# KiCad board charon386_top.kicad_pcb (continued)
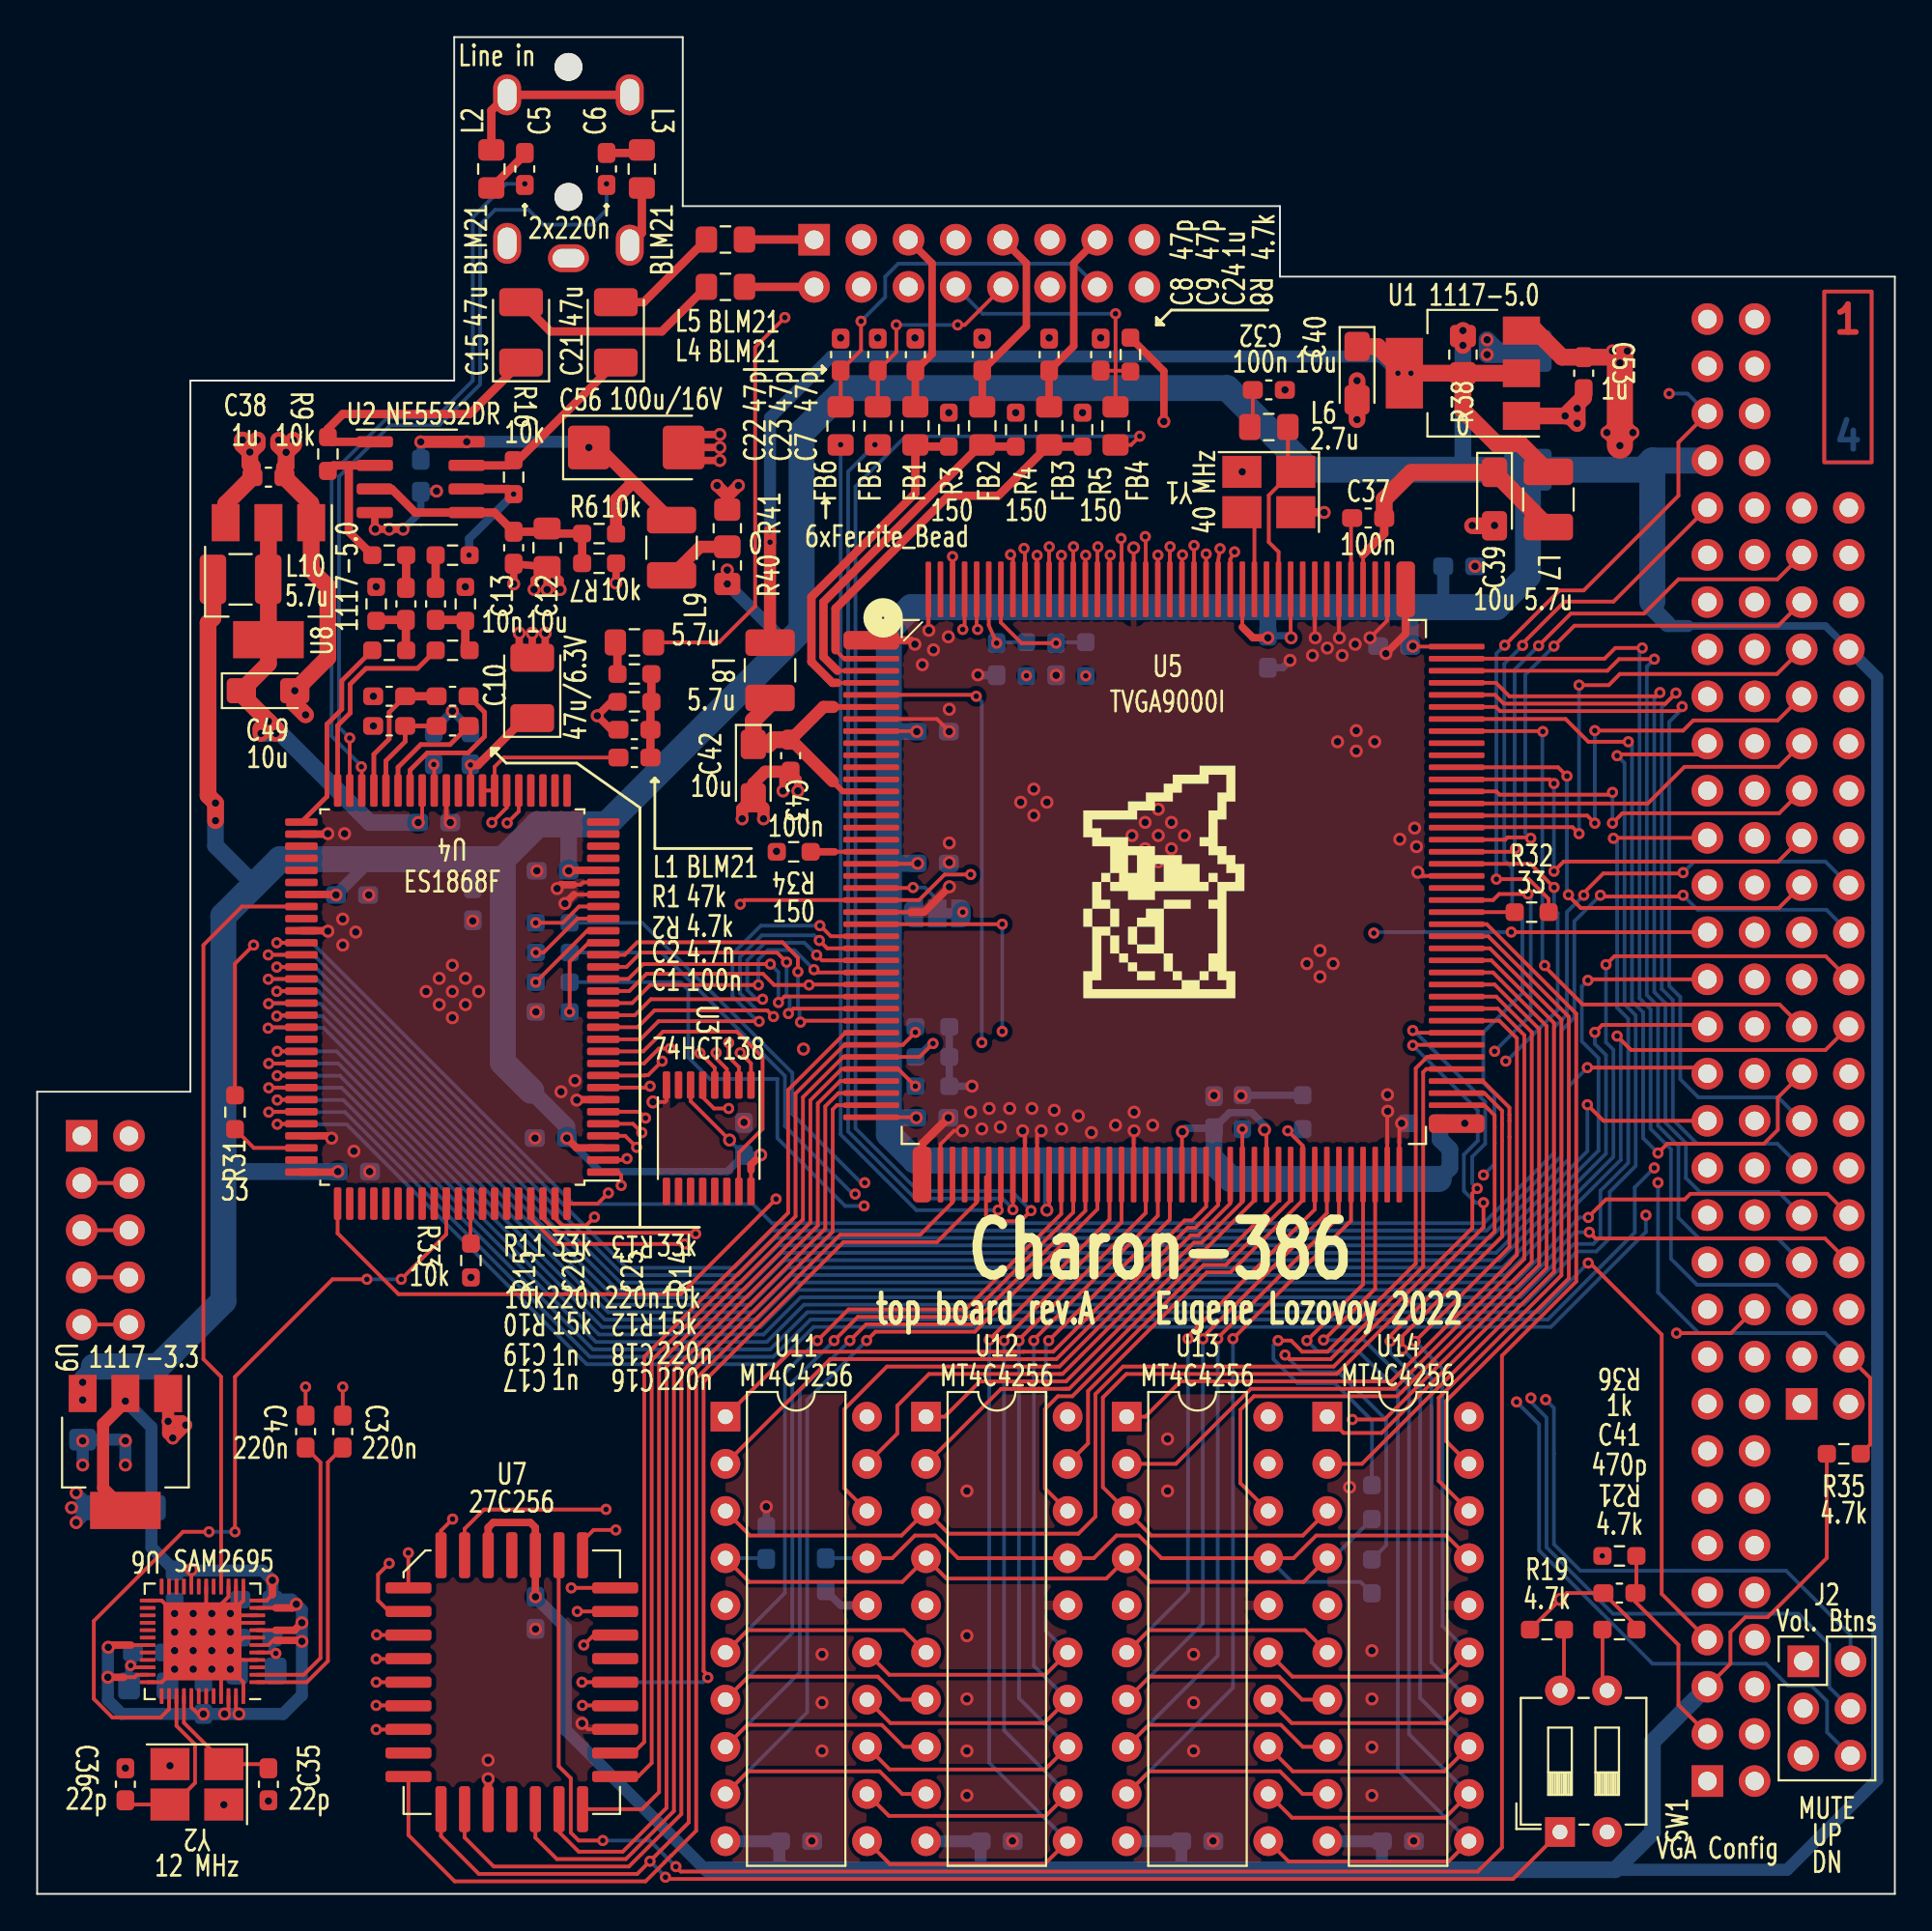
[diagram p0: board, top side]
## Routing (per net, layer and track width the routed paths; a pad name or vN(x,y) marks a point on that pad's centre or on a via; arc(x,y) is an arc through that point) (continued)
/D1: length 83.5
  Top w0.2: v2(39.64,47.25) 39.3,47.58 33.23,47.58 32.32,46.67 U4.13 ; v2(42.1,51.35) 42.53,50.92 U5.26
  In2.Cu w0.2: J6.16 91.3,25 88.23,25 62.33,50.9 42.55,50.9 v2(42.1,51.35)
  Bottom w0.2: v2(39.64,47.25) 39.3,47.58 38.75,47.58 37.83,48.51 37.83,50.45 39,51.63 41.83,51.63 v2(42.1,51.35)
/D2: length 82
  Top w0.2: v2(41.96,50.56) 42.25,50.27 U5.27 ; U4.14 32.18,47.32 33.03,48.18 v2(39.05,48.18)
  In2.Cu w0.2: v2(41.96,50.56) 42.28,50.25 62.42,50.25 88.76,23.91 88.76,23.3 89.41,22.65 91.12,22.65 J6.14
  Bottom w0.2: v2(41.96,50.56) 41.3,51.23 39.17,51.23 38.23,50.28 38.23,48.68 38.72,48.18 v2(39.05,48.18)
/D3: length 81.9
  Top w0.2: U5.28 41.97,49.62 v2(41.82,49.77) ; v2(38.82,48.95) 33,48.95 32.03,47.97 30.47,47.97
  In2.Cu w0.2: J6.12 91.3,19.92 89.6,19.92 88.36,21.16 88.36,23.74 62.5,49.6 41.99,49.6 v2(41.82,49.77)
  Bottom w0.2: v2(41.82,49.77) 40.76,50.83 39.33,50.83 38.82,50.32 v2(38.82,48.95)
/D4: length 82.2
  Top w0.2: 44.89,48.97 41.58,48.97 v2(41.55,48.95) 39.67,48.95 39.07,49.55 32.8,49.55 31.88,48.62 U4.16
  In2.Cu w0.2: v2(41.55,48.95) 62.59,48.95 87.96,23.58 87.96,19.02 89.36,17.63 91.06,17.63 J6.10
/D5: length 88
  Top w0.2: v2(39.47,50.08) 32.63,50.08 31.82,49.27 30.47,49.27 ; v2(39.9,48.01) 40.23,48.33 44.89,48.33 U5.30
  In2.Cu w0.2: v2(39.9,48.01) 40.23,48.33 62.65,48.33 87.55,23.42 87.55,16.15 88.61,15.09 91.06,15.09 J6.8
  Bottom w0.2: v2(39.47,50.08) 39.9,49.64 v2(39.9,48.01)
/D6: length 90.3
  Top w0.2: v2(40.44,47.41) 40.7,47.67 U5.31 ; U4.18 31.72,49.92 32.49,50.69 39.83,50.69 v2(40.34,50.18)
  In2.Cu w0.2: v2(40.44,47.41) 40.73,47.7 62.71,47.7 87.15,23.26 87.15,14.35 89.1,12.4 91.21,12.4 J6.6
  Bottom w0.2: v2(40.34,50.18) 40.34,48.42 40.5,48.25 40.5,47.48 v2(40.44,47.41)
/D7: length 92
  Top w0.2: U4.19 31.62,50.57 32.3,51.25 40.12,51.25 40.95,50.42 v2(40.95,49.66) ; U5.32 41.17,47.02 v2(41.09,46.95)
  In2.Cu w0.2: v2(41.09,46.95) 41.14,47 51.65,47 51.7,47.05 52.2,47.05 52.25,47 62.84,47 86.75,23.09 86.75,12.61 89.46,9.9 91.16,9.9 J6.4
  Bottom w0.2: v2(41.09,46.95) 40.96,47.08 41.04,47.16 41.04,47.66 40.95,47.75 v2(40.95,49.66)
/D8: length 25.9
  Top w0.2: U5.110 81.88,60.67 v2(82.35,60.2) ; J5.23 93.75,53.1 83.09,53.1 82.43,53.76 v2(82.43,53.81)
  Bottom w0.2: v2(82.43,53.81) 82.35,53.88 v2(82.35,60.2)
/D9: length 24.1
  Top w0.2: v2(81.65,55.08) 82.17,55.6 93.72,55.6 J5.25 ; U5.109 81.42,60.02 v2(81.65,59.8)
  Bottom w0.2: v2(81.65,59.8) v2(81.65,55.08)
/D10: length 21.1
  Top w0.2: U5.108 78.55,59.37 78.72,59.2 84.68,59.2 v2(84.8,59.32) ; v2(84.8,57.67) 85.33,58.2 93.78,58.2 J5.27
  Bottom w0.2: v2(84.8,59.32) v2(84.8,57.67)
/D11: length 19.9
  Top w0.2: J5.29 93.74,60.7 88.68,60.7 86.7,58.72 U5.107
/D12: length 24.5
  Top w0.2: v2(83.85,57.67) 83.44,58.07 U5.106 ; v2(83.85,62.65) 88.6,62.65 89.15,63.2 93.69,63.2 J5.31
  Bottom w0.2: v2(83.85,62.65) v2(83.85,57.67)
/D13: length 27.5
  Top w0.2: J5.33 93.66,65.7 85.2,65.7 84.6,65.1 v2(83,65.1) ; v2(83,57.1) 82.65,57.45 76.44,57.45 U5.105
  Bottom w0.2: v2(83,57.1) v2(83,65.1)
/D14: length 29.5
  Top w0.2: v2(81.65,67.2) 82.75,68.3 93.72,68.3 J5.35 ; v2(80.4,56.85) 80.35,56.9 79.15,56.9 79.03,56.77 U5.104
  Bottom w0.2: v2(80.4,56.85) 80.1,57.15 80.1,65.65 v2(81.65,67.2)
/D15: length 30.9
  Top w0.2: v2(79.58,56.3) 79.4,56.12 U5.103 ; v2(80.82,67.22) 82.55,68.95 86.5,68.95 88.35,70.8 93.68,70.8 J5.37
  Bottom w0.2: v2(79.58,56.3) 79.53,56.35 79.53,65.93 v2(80.82,67.22)
/DACK0: length 104.4
  Top w0.2: v2(85.05,46.2) 85.8,45.45 96.26,45.45 J5.18 ; v2(12.44,46.62) 12.49,46.67 U4.68
  Bottom w0.2: v2(85.05,46.2) 85.25,46 85.25,39.53 79.04,33.33 40.58,33.33 38.57,31.32 30.74,31.32 15.42,46.65 12.46,46.65 v2(12.44,46.62)
/DACK1: length 96.6
  Top w0.2: v2(12.46,47.94) 12.49,47.97 14.22,47.97 ; v2(83.85,46.4) 84.25,46.8 89.82,46.8 J6.33
  Bottom w0.2: v2(83.85,46.4) 83.85,45.78 84.45,45.18 84.45,39.87 78.71,34.13 40.24,34.13 38.23,32.12 31.07,32.12 15.25,47.94 v2(12.46,47.94)
/DACK3: length 91.8
  Top w0.2: v2(12.44,49.26) 12.45,49.27 14.22,49.27 ; J6.29 84.31,41.63 v2(83.45,42.5)
  Bottom w0.2: v2(83.45,42.5) 83.45,40 78.38,34.93 39.9,34.93 37.9,32.92 31.4,32.92 15.06,49.26 v2(12.44,49.26)
/DACK5: length 110
  Top w0.2: v2(84.15,53.78) 84.22,53.71 88.53,53.71 v2(88.6,53.78) ; v2(12.44,50.57) 12.45,50.57 U4.62
  Bottom w0.2: J5.22 96.31,53 89.38,53 v2(88.6,53.78) ; v2(84.15,53.78) 82.75,52.38 82.75,47.19 82.05,46.49 82.05,39.73 78.04,35.73 39.55,35.73 37.55,33.72 31.73,33.72 14.88,50.57 v2(12.44,50.57)
/DRQ0: length 107.3
  Top w0.2: v2(84.45,50.05) 84.9,50.5 96.28,50.5 J5.20 ; v2(12.9,47.27) 12.95,47.32 U4.67
  Bottom w0.2: v2(12.9,47.27) 15.35,47.27 30.9,31.72 38.4,31.72 40.4,33.73 78.88,33.73 84.85,39.7 84.85,45.46 84.45,45.86 84.45,50.04 v2(84.45,50.05)
/DRQ1: length 98.4
  Top w0.2: U4.65 12.92,48.62 v2(12.9,48.61) ; v2(83.48,49.2) 83.53,49.25 J6.35
  Bottom w0.2: v2(83.48,49.2) 83.15,48.87 83.15,45.91 84.05,45.01 84.05,40.03 78.57,34.56 78.57,34.56 78.54,34.53 40.07,34.53 38.07,32.52 31.24,32.52 15.15,48.61 v2(12.9,48.61)
/DRQ3: length 92.3
  Top w0.2: U4.63 12.91,49.92 v2(12.9,49.92) ; J6.31 89.59,44.5 v2(83.45,44.5)
  Bottom w0.2: v2(12.9,49.92) 14.97,49.92 31.57,33.32 37.72,33.32 39.73,35.33 78.21,35.33 82.45,39.57 82.45,43.5 v2(83.45,44.5)
/DRQ5: length 108.1
  Top w0.2: v2(88.6,55) 88.56,54.96 84.3,54.96 83.25,53.91 v2(83.25,53.78) ; U4.61 v2(12.9,51.22)
  Bottom w0.2: J5.24 96.25,55.6 89.2,55.6 v2(88.6,55) ; v2(12.9,51.22) 14.79,51.22 28.87,37.15 38.53,37.15 39.55,36.13 77.88,36.13 81.65,39.9 81.65,46.66 82.35,47.36 82.35,52.88 v2(83.25,53.78)
/G: length 19.7
  Top w0.2: U5.3 43.07,65.87
  Top w0.45: R4.1 50.96,77.95 FB2.1 50.79,78.04 42.33,69.58 42.33,66.62 43.07,65.87
/HSYNC: length 50.1
  Top w0.2: U5.48 v2(52.53,36.85)
  Bottom w0.2: v2(45.1,78.05) 43.65,76.6 43.65,41.07 47.26,37.45 51.97,37.45 52.53,36.9 v2(52.53,36.85)
/IOCHRDY: length 62.5
  Top w0.2: U5.157 49.93,68.2 v2(49.83,68.1)
  In2.Cu w0.2: v2(49.83,68.1) 49.83,67.62 53.45,64 57.15,64 71.45,49.7 71.81,49.7 76.65,44.85 76.65,44.43 76.63,44.4 76.65,44.26 76.65,44.13 76.68,44.11 76.68,44.07 76.79,43.99 77.12,43.66 84.21,36.57 87.95,32.83 87.95,31.6 89.35,30.2 91.19,30.2 J6.20
/IRQ5: length 114
  Top w0.2: J6.45 89.33,61.37 85.12,61.37 v2(85.05,61.3) ; U4.73 12.48,43.42 v2(12.47,43.41)
  Bottom w0.2: v2(12.47,43.41) 16.39,43.41 30.08,29.73 39.28,29.73 41.28,31.73 80.02,31.73 82.89,34.6 83.93,34.6 84.65,35.32 84.65,37.8 86.05,39.2 86.05,47.31 85.45,47.91 85.45,60.9 v2(85.05,61.3)
/IRQ7: length 108
  Top w0.2: v2(84.85,56.85) 84.88,56.87 J6.41 ; U4.72 12.93,44.07 v2(12.92,44.07)
  Bottom w0.2: v2(84.85,56.85) 85.05,56.65 85.05,47.73 85.65,47.13 85.65,39.37 84.15,37.87 84.15,35.39 83.77,35 82.72,35 79.85,32.13 41.1,32.13 39.1,30.13 30.24,30.13 16.3,44.07 v2(12.92,44.07)
/IRQ9: length 102.4
  Top w0.2: v2(83.5,33.97) 83.59,33.97 87.45,30.12 87.45,16.16 J6.7 ; 14.22,42.77 12.94,42.77 v2(12.92,42.76)
  Bottom w0.2: v2(83.5,33.97) 83.49,33.97 80.85,31.33 41.47,31.33 39.46,29.33 29.91,29.33 16.48,42.76 v2(12.92,42.76)
/IRQ10: length 95.5
  Top w0.2: J5.8 96.24,35.3 83.89,35.3 v2(83.55,35.63) ; v2(12.47,44.72) 12.47,44.72 U4.71
  Bottom w0.2: v2(83.55,35.63) 82.79,35.63 79.69,32.53 40.94,32.53 38.94,30.53 30.41,30.53 16.21,44.72 v2(12.47,44.72)
/IRQ11: length 95.2
  Top w0.2: J5.10 96.37,37.7 88.99,37.7 88.69,37.4 84.45,37.4 83.5,36.46 v2(83.5,36.43) ; U4.70 v2(12.92,45.37)
  Bottom w0.2: v2(12.92,45.37) 16.12,45.37 30.57,30.93 38.75,30.93 40.75,32.93 79.52,32.93 83.02,36.43 v2(83.5,36.43)
/LA17: length 32.5
  Top w0.2: J5.17 93.79,47.9 83.2,47.9 81.15,49.95 v2(81.15,50) ; v2(81.05,62.6) 80.82,62.6 80.8,62.62 U5.113
  Bottom w0.2: v2(81.15,50) 81.03,50.12 81.03,62.58 v2(81.05,62.6)
/LA18: length 43.1
  Top w0.2: v2(87.25,39.9) 87.75,40.4 92.95,40.4 93.7,41.15 93.7,42.88 J5.15 ; v2(85.65,62.05) 83.5,62.05 82.28,63.27 U5.114
  Bottom w0.2: v2(87.25,39.9) 86.45,40.7 86.45,47.48 85.85,48.07 85.85,61.85 v2(85.65,62.05)
/LA19: length 40.4
  Top w0.2: U5.115 78.53,63.92 78.75,63.7 88.31,63.7 v2(88.55,63.94)
  Bottom w0.2: v2(88.55,63.94) 88.55,63.81 87.85,63.11 87.85,48.9 88.45,48.3 88.45,43.87 89.43,42.9 93.72,42.9 J5.13
/LA20: length 43.8
  Top w0.2: U5.116 78.47,64.57 78.95,64.1 87.65,64.1 v2(88.22,64.67)
  Bottom w0.2: v2(88.22,64.67) 87.45,63.91 87.45,62.62 87.45,48.73 88.05,48.13 88.05,41.7 89.35,40.4 93.68,40.4 J5.11
/LA21: length 45.4
  Top w0.2: v2(87.35,64.7) 87.15,64.5 79.25,64.5 78.53,65.22 U5.117
  Bottom w0.2: v2(87.35,64.7) 87.05,64.4 87.05,48.57 87.65,47.97 87.65,41.53 88.75,40.43 88.75,38.55 89.5,37.8 93.74,37.8 J5.9
/LA22: length 49.5
  Top w0.2: v2(87.05,66.5) 85.15,66.5 84.53,65.87 U5.118
  Bottom w0.2: v2(87.05,66.5) 86.65,66.1 86.65,48.4 87.25,47.8 87.25,41.37 88.35,40.27 88.35,36.41 89.46,35.3 93.69,35.3 J5.7
/LA23: length 52.1
  Top w0.2: U5.119 84.38,66.52 84.95,67.1 v2(86.4,67.1)
  Bottom w0.2: J5.5 93.66,32.8 89.35,32.8 87.95,34.2 87.95,40.1 86.85,41.2 86.85,47.64 86.25,48.24 86.25,66.95 v2(86.4,67.1)
/LINE_L: length 9.9
  Top w0.45: J1.T J1.T 24.45,96.04 L2.2
/LINE_R: length 3.3
  Top w0.45: L3.2 32.55,89.44 J1.R1
/MAA0: length 48.7
  Top w0.2: U5.52 55.12,36.62 49.98,31.48 43.68,31.48 v2(42,29.8) ; U11.6 38.25,14.2 46.65,14.2 U12.6
  Bottom w0.2: U11.6 40.25,16.2 40.25,28.05 v2(42,29.8)
/MAA1: length 51.4
  Top w0.2: v2(42.9,29.8) 44.18,31.08 50.15,31.08 55.78,36.71 U5.53 ; U12.7 46.49,10.46 45.25,11.7 38.29,11.7 U11.7
  Bottom w0.2: U11.7 40.65,14.06 40.65,27.55 v2(42.9,29.8)
/MAA2: length 54
  Top w0.2: U12.8 46.64,7.92 45.46,9.1 38.23,9.1 U11.8 ; v2(43.75,29.8) 44.63,30.68 50.31,30.68 56.43,36.79 U5.54
  Bottom w0.2: v2(43.75,29.8) 41.05,27.1 41.05,11.92 U11.8
/MAA3: length 56.6
  Top w0.2: 57.07,38.74 57.07,36.87 50.48,30.28 45.13,30.28 v2(44.65,29.8) ; U11.9 38.27,6.6 45.35,6.6 46.57,5.38 U12.9
  Bottom w0.2: v2(44.65,29.8) 41.45,26.6 41.45,9.78 U11.9
/MAA4: length 52.2
  Top w0.2: U5.56 57.72,36.32 51.25,29.85 v2(51.25,29.83) ; U12.11 54.23,1.6 45.91,1.6 U11.11
  Bottom w0.2: v2(51.25,29.83) 51.25,7.06 U12.11
/MAA5: length 49.2
  Top w0.2: U11.12 45.85,4.2 54.29,4.2 U12.12 ; U5.57 58.38,36.17 52.05,29.85 v2(52.05,29.8)
  Bottom w0.2: U12.12 52.05,8.8 v2(52.05,29.8)
/MAA6: length 46.5
  Top w0.2: U11.13 45.89,6.7 54.25,6.7 U12.13 ; v2(52.85,29.79) 52.85,29.85 59.68,36.67 U5.59
  Bottom w0.2: U12.13 52.85,10.54 v2(52.85,29.79)
/MAA7: length 43.6
  Top w0.2: U11.14 45.93,9.2 54.21,9.2 U12.14 ; U5.60 60.32,36.52 53.65,29.85 v2(53.65,29.8)
  Bottom w0.2: v2(53.65,29.8) 53.65,12.28 U12.14
/MAA8: length 40.8
  Top w0.2: U12.15 54.27,11.8 45.87,11.8 U11.15 ; U5.61 60.97,36.33 v2(54.45,29.8)
  Bottom w0.2: U12.15 54.3,14.17 54.3,29.65 v2(54.45,29.8)
/MAB0: length 41.7
  Top w0.2: U14.6 68.25,14.2 59.85,14.2 U13.6 ; v2(61.95,29.9) 61.95,30.03 68.78,36.86 U5.73
  Bottom w0.2: v2(61.95,29.9) 61.95,16.3 U13.6
/MAB1: length 44.6
  Top w0.2: U13.7 59.89,11.7 66.85,11.7 68.09,10.46 U14.7 ; U5.74 69.43,36.66 62.75,29.98 v2(62.75,29.89)
  Bottom w0.2: v2(62.75,29.89) 62.75,14.56 U13.7
/MAB2: length 47.3
  Top w0.2: v2(63.55,29.9) 63.55,29.94 70.07,36.46 70.07,38.74 ; U14.8 68.13,7.92 66.95,9.1 59.83,9.1 U13.8
  Bottom w0.2: U13.8 63.55,12.82 v2(63.55,29.9)
/MAB3: length 50.2
  Top w0.2: v2(64.37,29.9) 70.72,36.26 U5.76 ; U14.9 68.12,5.38 66.9,6.6 59.87,6.6 U13.9
  Bottom w0.2: U13.9 64.37,11.1 v2(64.37,29.9)
/MAB4: length 53.8
  Top w0.2: U13.11 67.37,1.74 75.97,1.74 U14.11 ; v2(68.35,29.8) 71.38,32.82 U5.77
  Bottom w0.2: U14.11 73.25,6.66 73.25,27.1 71.12,29.23 68.92,29.23 v2(68.35,29.8)
/MAB5: length 50.9
  Top w0.2: U14.12 75.79,4.1 67.55,4.1 U13.12 ; U5.78 72.03,32.59 69.27,29.83 v2(69.24,29.83)
  Bottom w0.2: v2(69.24,29.83) 71.42,29.83 73.85,27.4 73.85,8.6 U14.12
/MAB6: length 52.3
  Top w0.2: U14.13 75.75,6.6 67.59,6.6 U13.13 ; 76.41,42.47 77.91,42.47 78.46,41.93 78.46,40.43 78.46,35.68 72.83,30.05 v2(72.83,29.76)
  Bottom w0.2: v2(72.83,29.76) 72.83,29.14 74.45,27.52 74.45,10.54 U14.13
/MAB7: length 50.1
  Top w0.2: v2(73.5,29.32) 73.5,30.05 78.86,35.4 78.86,40.6 78.86,42.18 77.91,43.12 U5.83 ; U14.14 75.81,9.2 67.53,9.2 U13.14
  Bottom w0.2: v2(73.5,29.32) 75.05,27.77 75.05,12.48 U14.14
/MAB8: length 48
  Top w0.2: U5.84 77.83,43.77 79.25,42.35 79.25,40.76 79.25,34.84 v2(74.17,29.76) ; U14.15 75.77,11.7 67.57,11.7 U13.15
  Bottom w0.2: U14.15 75.65,14.42 75.65,28.28 v2(74.17,29.76)
/MD0: length 32.3
  Top w0.2: U11.1 40.55,29.2 52.6,29.2 52.6,29.2 53.1,29.2 53.1,29.2 54.7,29.2 61.77,36.27 62.18,36.27 62.93,37.01 U5.64
/MD1: length 33.9
  Top w0.2: 63.57,38.74 63.57,37.1 62.35,35.87 61.93,35.87 54.86,28.8 53.27,28.8 53.26,28.8 52.44,28.8 52.43,28.8 42.69,28.8 U11.2
/MD2: length 94.6
  Top w0.2: U11.18 43.45,21.84 43.45,26.11 45.74,28.4 52.27,28.4 52.27,28.4 53.43,28.4 53.44,28.4 55.03,28.4 62.1,35.47 62.51,35.47 64.22,37.18 U5.66
  In2.Cu w0.2: SW1.2 82.58,1.4 44.05,1.4 42.95,2.5 42.95,18.9 U11.18
/MD3: length 30.8
  Top w0.2: v2(64.88,41.19) U5.67 64.88,37.27 62.68,35.07 62.26,35.07 56.25,29.06 55.19,28 55.06,28 55.06,28 53.6,28 53.6,28 53.02,28 52.27,28 52.11,28 52.1,28 48.01,28 46.3,26.29 46.3,24.79 U11.19
/MD4: length 23.9
  Top w0.2: U12.1 48.85,25.7 50.75,27.6 51.94,27.6 53.1,27.6 53.76,27.6 53.76,27.6 55.22,27.6 55.22,27.6 55.39,27.6 62.46,34.67 62.84,34.67 65.53,37.35 U5.68
/MD5: length 26.2
  Top w0.2: U12.2 51.89,27.2 51.94,27.2 52.09,27.19 52.1,27.2 52.44,27.2 52.93,27.2 53.76,27.2 53.92,27.19 53.92,27.2 53.93,27.2 53.93,27.2 55.23,27.2 55.39,27.2 55.39,27.2 55.55,27.2 62.62,34.27 63.74,34.27 66.82,37.35 U5.70
/MD6: length 25.3
  Top w0.2: U5.71 67.47,37.35 63.99,33.87 62.79,33.87 55.72,26.8 54.94,26.8 54.25,26.11 54.25,21.84 U12.18
/MD7: length 25.1
  Top w0.2: v2(67.32,41.1) 68.12,40.3 U5.72 68.12,37.36 64.24,33.47 62.96,33.47 56.57,27.08 56.57,24.26 U12.19
  Bottom w0.2: R24.2 68.04,41.1 v2(67.32,41.1)
/MD16: length 39.9
  Top w0.2: U5.89 78.71,47.02 79.65,46.08 79.65,34.41 79.44,34.19 79.26,33.97 72.89,27.6 61.55,27.6 59.65,25.7 U13.1
/MD17: length 42.3
  Top w0.2: U5.90 78.62,47.67 80.05,46.25 80.05,34.2 73.06,27.2 65.34,27.2 61.29,23.16 U13.2
/MD18: length 42.3
  Top w0.2: U13.18 64.77,22.12 64.77,26.07 65.5,26.8 73.22,26.8 73.47,27.05 80.45,34.03 80.45,46.41 78.54,48.32 U5.91
/MD19: length 37.6
  Top w0.2: v2(70.8,25.55) 72.53,25.55 80.25,33.27 80.85,33.87 80.85,46.58 78.45,48.97 76.41,48.97
  In2.Cu w0.2: U13.19 67.37,24.26 70.21,24.26 70.8,24.85 v2(70.8,25.55)
/MD20: length 34.9
  Top w0.2: U14.1 70.32,24.82 72.38,24.82 81.25,33.7 81.25,46.74 78.37,49.62 U5.93
/MD21: length 36.5
  Top w0.2: U5.94 78.28,50.27 81.65,46.91 81.65,33.5 71.31,23.16 U14.2
/MD22: length 37.1
  Top w0.2: U5.95 78.2,50.92 82.05,47.07 82.05,33.32 75.45,26.72 75.45,22.24 U14.18
/MD23: length 35.2
  Top w0.2: U14.19 75.85,24.38 75.85,26.55 82.45,33.15 82.45,47.24 78.12,51.57 U5.96
/MIDI_L: length 16.1
  Top w0.2: C3.2 15.65,23.24 15.65,12.53 14.52,11.4 U6.1
/MIDI_R: length 15.4
  Top w0.2: U6.2 14.35,11.8 15.25,12.7 15.25,23.24 C4.2
/Monitor: length 68.8
  Top w0.2: U5.46 51.08,38.59 51.08,36.52 51.38,36.22 52.93,36.22 v2(53.5,36.8) ; v2(59.36,78.51) 58.89,78.04 FB4.1
  Bottom w0.2: v2(53.5,36.8) 52.45,37.85 47.43,37.85 44.05,41.23 44.05,75.8 46.75,78.5 59.35,78.5 v2(59.36,78.51)
/MSO: length 41.1
  Top w0.2: U4.58 11.03,53.17 8.95,51.1 8.95,28.8 9.9,27.85 U6.16
/OSC: length 137.1
  Top w0.2: v2(11.65,51.1) 10.65,50.1 R31.2 ; R32.2 81.36,53.59 80.3,54.65 v2(78.55,54.65) ; J6.59 88.35,78.17 88.35,75.3 83.25,70.2 81.95,70.2 v2(79,67.25)
  In2.Cu w0.2: v2(87.85,80.8) 78.85,80.8 78.35,80.3 66.45,80.3 66.15,80.6 44.95,80.6 29.05,64.7 29.05,59.8 22.4,53.15 13.7,53.15 v2(11.65,51.1)
  Bottom w0.2: J6.59 88.84,80.8 v2(87.85,80.8) ; v2(79,67.25) 78.55,66.8 v2(78.55,54.65)
/R: length 19.5
  Top w0.2: U5.4 43.07,65.22
  Top w0.45: 43.07,65.22 42.81,65.22 41.68,66.35 41.68,69.85 47.28,75.44 FB1.1 47.36,77.95 R3.1
/RESET: length 116.9
  Top w0.2: U5.5 50.47,64.57 v2(50.55,64.5) ; R36.2 v2(84.25,18.2) ; U4.81 16.17,35.57 19.45,32.3 34.65,32.3 v2(39.77,37.42)
  In2.Cu w0.2: v2(39.78,37.42) 39.78,37.43 47.35,45 50,45 v2(50.85,45.85) 62.86,45.85 66.72,41.99 66.72,40.85 67.07,40.5 68.21,40.5 84.25,24.46 v2(84.25,18.2)
  Bottom w0.2: v2(50.85,45.85) 50.85,64.2 v2(50.55,64.5)
/RMD0: length 64.4
  Top w0.2: U5.43 49.28,37.24 47.53,35.5 43.23,35.5 35.48,27.75 35.48,3.4 34.14,2.07 34.14,2.07 33.78,1.71 33.78,1.71 32.75,0.67 22.47,0.67 19.99,3.16 U7.13
/RMD1: length 111
  Top w0.2: SW1.1 79.44,0.8 33.92,0.8 v2(33.82,0.9) ; 44.89,42.47 43.05,42.47 42.82,42.25 42.82,35.66 35.08,27.92 35.08,3.85 v2(32.99,1.76) 32.3,1.07 23.78,1.07 21.74,3.11 U7.14
  Bottom w0.2: v2(32.99,1.76) 33.82,0.93 v2(33.82,0.9)
/RMD2: length 59.1
  Top w0.2: U5.38 43.13,43.12 42.43,42.42 42.43,35.83 34.68,28.08 34.68,4.3 31.85,1.47 24.58,1.47 23.01,3.04 U7.15
/RMD3: length 55.2
  Top w0.2: U7.18 26.82,3.03 27.98,1.87 31.69,1.87 34.28,4.46 34.28,28.25 42.02,35.99 42.02,42.58 43.22,43.77 U5.37
/RMD4: length 56.5
  Top w0.2: v2(47.28,43.5) 46.35,44.42 U5.36 43.3,44.42 41.62,42.74 41.62,36.16 33.88,28.41 33.88,4.63 31.52,2.27 29.15,2.27 28.09,3.33 U7.19
/RMD5: length 54.6
  Top w0.2: v2(48.22,45.8) 47.5,45.07 U5.35 43.39,45.07 41.22,42.91 41.22,36.32 33.48,28.58 33.48,5.48 32.56,4.56 U7.20
  Bottom w0.2: v2(48.22,45.8) 48,45.8 R37.2
/RMD6: length 49.6
  Top w0.2: U7.21 32.35,6.32 33.08,7.05 33.08,28.74 40.82,36.49 40.82,43.1 43.45,45.72 U5.34 46.6,45.72 v2(47.28,46.4)
  Bottom w0.2: R23.2 v2(47.28,46.4)
/RMD7: length 45.9
  Top w0.2: U7.22 32.09,7.59 32.68,8.18 32.68,28.93 40.42,36.68 40.42,43.3 43.5,46.37 U5.33
/ROMBA0: length 121.7
  Top w0.2: U7.31 28.08,18.22 28.08,6.87 28.72,6.22 28.72,3.3 29.15,2.87 v2(30.45,2.87) ; v2(34.38,1.47) 34.65,1.2 77.55,1.2 78.85,2.5 78.85,28.98 82.85,32.99 82.85,47.4 78.03,52.22 U5.97
  Bottom w0.2: v2(34.38,1.47) 32.98,2.87 v2(30.45,2.87)
/SPKR: length 45
  Top w0.2: v2(40.25,84.9) 38.65,83.3 38.65,69.35 36.7,67.4 L1.2
  In2.Cu w0.2: J3.16 58.31,87.85 40.8,87.85 40.25,87.3 v2(40.25,84.9)
/VGA_B: length 10.1
  Top w0.4: J3.13 55.8,87.82 55.8,83.36 C9.1 FB3.2
/VGA_G: length 10.5
  Top w0.4: 51.99,89.09 53.25,87.82 53.25,84.41 C8.1 FB2.2
/VGA_HS: length 11.4
  Top w0.2: 51.99,86.55 49.94,84.5 v2(49.55,84.5) ; v2(46.25,84.5) 46.25,83.04 C23.1 FB5.2
  Bottom w0.2: v2(46.25,84.5) v2(49.55,84.5)
/VGA_MON: length 15.8
  Top w0.2: 58.06,82.04 58.05,82.05 v2(58.05,85.1) ; 58.06,82.04 58.05,82.02 FB4.2 ; 58.06,82.04 58.8,82.04 R8.2 ; 58.06,82.04 C24.1
  Bottom w0.2: J3.8 50.9,85.1 v2(58.05,85.1)
/VGA_R: length 9.9
  Top w0.4: FB1.2 C7.1 48.18,82.94 48.18,87.82 J3.5
/VGA_VS: length 20.2
  Top w0.2: v2(44.35,84.7) 44.35,83.14 C22.1 FB6.2
  Bottom w0.2: v2(44.35,84.7) 45.65,86 45.65,87.1 46.35,87.8 55.81,87.8 J3.14
/VSYNC: length 49.3
  Top w0.2: v2(51.73,36.82) 51.88,36.97 U5.47
  Bottom w0.2: v2(51.73,36.82) 47.33,36.82 43.25,40.9 v2(43.25,78.05)
/~{CAS}: length 44
  Top w0.2: U14.17 75.85,19.3 68.85,19.3 67.63,18.08 U13.17 60.52,18.08 59.3,19.3 58.1,19.3 56.88,18.08 U12.17 49.57,18.08 48.35,19.3 47.25,19.3 46.03,18.08 U11.17
  Bottom w0.2: U11.17 42.46,18.08 C26.2 ; R17.2 71.24,16.8 67.55,16.8 U13.17
/~{IOR}: length 140.6
  Top w0.2: v2(12.47,42.1) 12.49,42.12 U4.75 ; U5.153 52.53,72 v2(52.4,72.13)
  In2.Cu w0.2: v2(52.4,72.13) 52.72,71.8 52.72,71.78 53.41,71.09 53.45,71.09 78.54,46 79.05,46 85.95,39.1 v2(87.05,39.1) 87.06,39.09 J6.27
  Bottom w0.2: v2(87.05,39.1) 86,38.05 86,35.62 81.32,30.93 41.63,30.93 39.63,28.93 29.75,28.93 16.57,42.1 v2(12.47,42.1)
/~{IOW}: length 130.1
  Top w0.2: 14.22,41.47 12.95,41.47 v2(12.92,41.45)
  In2.Cu w0.2: v2(56.45,65.6) 57.25,65.6 71.95,50.9 72.3,50.9 77.85,45.35 77.85,44.63 85.93,36.55 v2(86.6,36.55) 86.6,36.55 J6.25
  Bottom w0.2: v2(12.92,41.45) 16.66,41.45 29.58,28.53 39.79,28.53 41.8,30.53 81.48,30.53 86.6,35.65 v2(86.6,36.55) ; R20.2 v2(56.45,65.6)
/~{MEMCS16}: length 50.8
  Top w0.2: v2(81.66,54.21) 80.39,55.47 76.41,55.47 ; R35.2 98.67,24.21 98.67,27.78 J5.4
  In2.Cu w0.2: v2(79.05,44.85) 79.05,44.84 85.59,38.3 v2(87.25,38.3)
  Bottom w0.2: v2(81.66,54.21) 81.66,53.01 81.85,52.82 81.85,47.6 79.1,44.85 v2(79.05,44.85) ; J5.4 96.25,30.2 89.45,30.2 87.25,32.4 v2(87.25,38.3)
/~{MEMR}: length 50.2
  In2.Cu w0.2: v2(53.26,65.61) 54.06,64.8 57.48,64.8 71.78,50.5 72.14,50.5 77.45,45.18 77.45,44.46 87.9,34.01 J6.23
  Bottom w0.2: R28.2 53.25,65.6 v2(53.26,65.61)
/~{MEMW}: length 57.5
  Top w0.2: v2(50.63,68.1) 50.57,68.15 50.57,70.26
  In2.Cu w0.2: v2(50.63,68.1) 50.63,67.39 53.61,64.4 57.32,64.4 71.62,50.1 71.97,50.1 77.05,45.02 77.05,44.3 77.28,44.06 84.61,36.74 89.87,31.47 J6.21
/~{NMI}: length 77.4
  Top w0.2: v2(51.95,52.23) 51.95,52.22 U5.24
  In2.Cu w0.2: J6.2 91.12,7.4 89.42,7.4 86.35,10.47 86.35,22.93 62.85,46.43 51.97,46.43 v2(51.95,46.45)
  Bottom w0.2: v2(51.95,52.23) v2(51.95,46.45)
/~{RAS}: length 40.9
  Top w0.2: U14.4 68.17,16.8 59.93,16.8 U13.4 57.55,16.98 48.95,16.98 U12.4 46.57,16.8 38.33,16.8 U11.4
  Bottom w0.2: U14.4 69.74,18.08 R18.2 ; C27.2 39.21,18.08 U11.4
/~{REFRESH}: length 50.8
  Top w0.2: v2(49.28,72.02) U5.158 ; v2(79.35,51.8) 79.36,51.79 J6.37
  In2.Cu w0.2: v2(49.28,72.02) 51.53,72.02 71.81,51.74 v2(71.95,51.74)
  Bottom w0.2: v2(79.35,51.8) 72.05,51.8 72,51.75
/~{ROMCS}: length 44.9
  Top w0.2: v2(29.32,11.4) U7.25 ; 50.57,38.74 50.57,37.24 48.44,35.1 43.4,35.1 35.88,27.57 35.88,12 36.1,11.77 v2(36.1,11.65)
  Bottom w0.2: v2(36.1,11.65) 35.85,11.4 v2(29.32,11.4)
/~{RSTB}: length 43.7
  Top w0.2: v2(19.6,33.1) 22.03,35.52 22.03,37.17 ; v2(10.65,19.5) 10.65,27.85 15.9,33.1 v2(17.75,33.1) ; U6.38 7.1,9.95 6.65,9.5 4.05,9.5 3.05,10.5 3.05,14.7 7.85,19.5 v2(9.25,19.5)
  Bottom w0.2: v2(10.65,19.5) v2(9.25,19.5) ; v2(17.75,33.1) v2(19.6,33.1)
/~{SBHE}: length 40.5
  Top w0.2: v2(80.25,53.85) 78.7,53.85 78.38,53.52 U5.99
  In2.Cu w0.2: v2(78.45,45.38) 78.45,44.59 85.34,37.7 90.4,37.7 91.25,36.85 91.25,31.05 92.2,30.1 93.81,30.1 J5.3
  Bottom w0.2: v2(80.25,53.85) 80.4,53.7 80.4,47.32 v2(78.45,45.38)
/~{WE0}: length 67.7
  Top w0.2: v2(74.05,46.5) 74.18,46.37 U5.88 ; U11.3 38.37,19.3 46.53,19.3 U12.3 49.07,19.4 56.05,19.4 56.97,20.32 56.97,26.92 58.45,28.4 69.79,28.4 77.26,35.87 77.26,37.73 v2(77.52,37.99)
  Bottom w0.2: v2(77.52,37.99) 77.25,38.26 77.25,39.7 77.95,40.4 77.95,42.65 74.1,46.5 v2(74.05,46.5)
/~{WE2}: length 57.4
  Top w0.2: U5.87 74.07,45.72 v2(74.05,45.7) ; U14.3 68.13,19.3 59.97,19.3 U13.3 57.37,21.9 57.37,26.74 58.63,28 69.96,28 77.86,35.9 v2(77.86,37.22)
  Bottom w0.2: v2(77.86,37.22) 77.44,37.22 76.8,37.86 76.8,39.81 77.55,40.57 77.55,42.2 v2(74.05,45.7)
Net-(C1-Pad1): length 8.8
  Top w0.2: U4.38 U4.37 24.62,60.7 25.12,61.2 C1.1
Net-(C1-Pad2): length 4.5
  Top w0.45: C1.2 33.01,64.15 R2.1 R1.2
Net-(C3-Pad1): length 48.7
  Top w0.2: U4.35 25.92,58.3 v2(25.3,57.67) ; v2(16.45,27.3) C3.1
  In2.Cu w0.2: v2(16.45,27.3) 16.45,30.9 9.75,37.6 9.75,51.63 14.12,56 23.63,56 v2(25.3,57.67)
Net-(C4-Pad1): length 47.8
  Top w0.2: v2(24.48,57.7) 25.28,58.5 U4.36 ; v2(14.45,27.3) C4.1
  In2.Cu w0.2: v2(24.48,57.7) 23.18,56.4 13.95,56.4 9.35,51.8 9.35,37.43 14.45,32.33 v2(14.45,27.3)
Net-(C5-Pad1): length 39.8
  Top w0.2: U4.48 17.47,60.67 v2(17.45,60.7) ; C5.1 v2(26.25,92.1)
  Bottom w0.2: v2(17.45,60.7) 17.45,60.75 15.85,62.35 15.85,76.5 18.85,79.5 21.45,79.5 23.45,81.5 23.45,90.3 25.25,92.1 v2(26.25,92.1)
Net-(C5-Pad2): length 2.6
  Top w0.45: L2.1 26.25,93.67 C5.2
Net-(C6-Pad1): length 44.7
  Top w0.2: C6.1 v2(30.65,92.1) ; v2(16.83,62.25) 16.83,59.42
  Bottom w0.2: v2(16.83,62.25) 16.25,62.82 16.25,76.33 19.02,79.1 21.65,79.1 23.85,81.3 23.85,89.9 24.65,90.7 26.45,90.7 27.25,89.9 29.85,89.9 30.65,90.7 v2(30.65,92.1)
Net-(C6-Pad2): length 2
  Top w0.45: C6.2 32.39,93.76 L3.1
Net-(C10-Pad1): length 5.8
  Top w0.2: v2(23.33,60.8) 23.33,59.42
  Top w0.45: C10.1 26.26,63.32 23.73,60.8 v2(23.33,60.8)
  Bottom w0.45: 23.35,60.84 23.35,60.82 v2(23.33,60.8)
Net-(C12-Pad2): length 13.9
  Top w0.45: R7.2 R6.1 27.72,73.26 C12.2 27.28,73.36 C13.2 24.62,74.39 U2.5 20.36,74.39 19.08,75.66 18.17,75.66
Net-(C14-Pad1): length 1.4
  Top w0.2: 21.38,60.8 U4.42
  vias: v2(21.35,60.83)
Net-(C15-Pad1): length 14.9
  Top w0.45: 18.17,78.2 15.91,78.2 R9.1 15.65,78.9 16.45,79.7 23.28,79.7 C15.1
Net-(C15-Pad2): length 11.6
  Top w0.45: C15.2 27.62,84.15 33.62,84.15 L4.1
Net-(C16-Pad1): length 6
  Top w0.25: U4.45 19.42,60.67 20.65,61.9 22.22,61.9 C16.1
Net-(C16-Pad2): length 5.6
  Top w0.25: U4.46 18.78,61.02 19.81,62.06 C17.1 C16.2
Net-(C18-Pad1): length 8.4
  Top w0.25: C18.1 24.09,63.64 24.09,62.34 23.2,61.45 21,61.45 20.08,60.52 U4.44
Net-(C18-Pad2): length 7.5
  Top w0.25: C19.1 18.95,63.64 18.95,62.2 18.12,61.37 U4.47
  Top w0.45: C19.1 C18.2
Net-(C20-Pad1): length 3.3
  Top w0.45: R15.1 18.3,68.61 C20.1 19.85,66.99 R10.1
Net-(C20-Pad2): length 1.8
  Top w0.45: C20.2 19.86,70.35 R11.2
Net-(C21-Pad1): length 10.3
  Top w0.45: U2.7 25.37,76.93 R16.1 25.89,77.21 C21.1
Net-(C21-Pad2): length 6.3
  Top w0.45: L5.1 32.65,85.72 C21.2
Net-(C25-Pad1): length 3.3
  Top w0.45: R12.1 23.05,67.2 R14.1 23,68.61 C25.1
Net-(C25-Pad2): length 1.8
  Top w0.45: R13.2 C25.2
Net-(C28-Pad1): length 6.8
  Top w0.2: v2(54.85,67.36) 52.99,67.36 51.88,68.47 U5.154
  Bottom w0.2: R20.1 54.9,67.41 v2(54.85,67.36)
Net-(C29-Pad1): length 4.6
  Top w0.2: U5.155 51.22,68.32 v2(51.65,67.36)
  Bottom w0.2: R28.1 51.7,67.41 v2(51.65,67.36)
Net-(C30-Pad2): length 2.9
  Top w0.2: U6.5 12.8,13 v2(12.85,12.95)
  Bottom w0.4: C30.2 12.66,13.14 v2(12.85,12.95) 12.84,12.94 C31.2
Net-(C32-Pad2): length 2.1
  Top w0.2: C32.2 65.44,79.16 L6.1
Net-(C33-Pad2): length 2.8
  Top w0.2: U6.34 5.13,12.2 v2(5.03,12.3)
  Bottom w0.4: C33.2 5.16,12.42 v2(5.03,12.3) 4.94,12.21 C34.2
Net-(C35-Pad2): length 7
  Top w0.2: C35.2 12.22,6.99 Y2.1 10.05,7.07 7.9,9.22 U6.40
Net-(C36-Pad2): length 9.4
  Top w0.2: U6.39 7.5,9.05 8.5,8.05 8.5,5.97 7.34,4.81 Y2.3 4.97,4.81 C36.2
Net-(C37-Pad1): length 3.9
  Top w0.2: U5.125 70.72,74.04 C37.1
Net-(C40-Pad1): length 66.3
  Top w0.65: L8.1 39.45,70.9 ; v2(39.45,73.4) v2(39.45,72.8) 39.45,71
  Top w0.9: L7.1 79.84,78.1 78.55,78.1 76.75,79.9 R38.2 ; R38.2 U1.2 ; R38.2 U1.2 72.16,83.34 C40.1
  Bottom w0.65: v2(73.95,81.9) v2(73.25,81.9) 72.35,82.8 42.75,82.8 39.45,79.5 v2(39.45,72.8)
Net-(C41-Pad2): length 11.2
  Top w0.2: R36.1 86.09,16.25 C41.2 86.04,15.72 88.35,13.41 88.35,10.17 J6.3
Net-(J2-Pad2): length 92.2
  In2.Cu w0.2: v2(44.55,38.3) 44.85,38.6 69.41,38.6 81.2,26.81 v2(81.2,26.62)
  Bottom w0.2: v2(81.2,26.62) 81.65,26.17 81.65,23.7 81.65,18.83 83.08,17.4 94.15,17.4 97.62,13.94 J2.2 ; R26.1 32.57,52.3 40.65,44.22 40.65,42 44.35,38.3 v2(44.55,38.3)
Net-(J2-Pad4): length 93.4
  In2.Cu w0.2: v2(80.41,26.71) 68.91,38.2 45.42,38.2 44.87,37.65 44.07,37.65 v2(44.03,37.69)
  Bottom w0.2: v2(80.41,26.71) 80.41,26.49 81.25,25.65 81.25,18.67 84.83,15.09 94.81,15.09 96.47,13.43 96.47,11.13 J2.4 ; R27.1 33.6,50.7 40.25,44.06 40.25,41.35 43.91,37.69 v2(44.03,37.69)
Net-(J2-Pad6): length 96
  In2.Cu w0.2: v2(79.64,26.49) 79.64,26.81 68.65,37.8 45.78,37.8 45,37.03 44.54,37.03 v2(44.52,37.05)
  Bottom w0.2: J2.6 96.35,8.71 96.35,10.37 95.52,11.2 94.25,11.2 93.05,12.4 86.95,12.4 80.85,18.5 80.85,25.28 v2(79.64,26.49) ; R29.1 34.64,49.1 35.05,48.69 35.05,45.05 36.21,43.89 39.85,43.89 39.85,40.7 43.5,37.05 v2(44.52,37.05)
Net-(J4-Pad3): length 2.5
  Top w0.2: J4.3 J4.4
Net-(J4-Pad5): length 2.5
  Top w0.2: J4.5 J4.6
Net-(J4-Pad7): length 2.5
  Top w0.2: J4.7 J4.8
Net-(J4-Pad10): length 2.5
  Top w0.2: J4.9 J4.10
Net-(JP1-Pad2): length 4.6
  Top w0.2: v2(47.15,54.2) 47.12,54.17 U5.21
  Bottom w0.2: JP1.2 48.45,53.54 47.79,54.2 v2(47.15,54.2)
Net-(L1-Pad1): length 1.7
  Top w0.45: L1.1 31.24,67.29 R1.1
Net-(L6-Pad2): length 9.8
  Top w0.2: U5.131 66.82,72.28 66.3,72.8 66.3,75.32 67.56,76.59 Y1.1 67.32,77.01 L6.2
Net-(L9-Pad1): length 3.6
  Top w0.65: R41.2 35.69,72.55 L9.1
Net-(R10-Pad2): length 10.8
  Top w0.25: U4.51 15.6,59.1 15.6,63 16.4,63.8 16.4,65.34 R10.2
Net-(R11-Pad1): length 8
  Top w0.45: R11.1 16.78,73.36 16.78,76.9 16.81,76.93 ; R9.2 15.95,76.93 16.81,76.93 ; 16.81,76.93 18.17,76.93
Net-(R12-Pad2): length 11.4
  Top w0.25: U4.50 16.17,62.92 16.85,63.6 16.85,65.15 17.7,66 20.47,66 R12.2
Net-(R13-Pad1): length 6.9
  Top w0.45: v2(25.65,75.39) 25.37,75.66 U2.6 ; R13.1 v2(23.25,72.1)
  Bottom w0.45: v2(25.65,75.39) 23.25,72.99 v2(23.25,72.1)
Net-(R17-Pad1): length 36.7
  Top w0.2: v2(67.17,29.02) 67.4,28.8 69.62,28.8 74.61,33.79 74.61,44.26 74.78,44.42 U5.85
  Bottom w0.2: v2(67.17,29.02) 68.1,28.1 70.05,28.1 72.62,25.53 72.62,18.79 R17.1
Net-(R18-Pad1): length 33.8
  Top w0.2: U5.86 74.82,45.07 74.21,44.46 74.21,33.95 69.46,29.2 68.1,29.2 67.5,29.8 v2(66.8,29.8)
  Bottom w0.2: v2(66.8,29.8) 66.55,29.55 66.55,28.8 67.85,27.5 69.85,27.5 71.85,25.5 R18.1
Net-(R19-Pad2): length 3.4
  Top w0.2: SW1.4 82.19,11.16 R19.2
Net-(R21-Pad2): length 3.4
  Top w0.2: SW1.3 84.26,11.2 R21.2
Net-(R26-Pad2): length 4
  Top w0.2: U4.23 29.17,53.17 28.3,52.3 v2(26.84,52.3)
Net-(R27-Pad2): length 4.4
  Top w0.2: v2(26.85,50.7) 27.26,50.7 29.09,52.52 U4.22
Net-(R29-Pad2): length 4.8
  Top w0.2: U4.21 29.61,51.87 v2(26.84,49.1)
Net-(R30-Pad1): length 4.9
  Top w0.2: v2(28.66,47.5) 28.66,50.2 29.68,51.22 U4.20
Net-(R31-Pad1): length 4
  Top w0.2: R31.1 11.66,40.17 U4.78
Net-(R32-Pad1): length 3.1
  Top w0.2: R32.1 U5.98
Net-(R33-Pad1): length 2.2
  Top w0.2: 23.33,37.17 23.33,35.05 R33.1
Net-(R34-Pad1): length 3.3
  Top w0.2: 42.93,56.12 U5.18
  Top w0.4: R34.1 42.93,56.12
Net-(U3-Pad15): length 17.3
  Top w0.2: U3.15 37.78,39.92 39.05,41.2 39.05,45.05 37.66,46.44 33.69,46.44 32.62,45.37 U4.11
Net-(U5-Pad133): length 4.4
  Top w0.2: Y1.3 65.53,73.74 U5.133

## Copper pours and planes (outline as drawn; the poured copper is in the pictures)
+5V on In2.Cu: 100.45,100.3 100.45,-0.3 -0.45,-0.3 -0.45,100.4
+12V on In2.Cu: 39.25,76.3 25.85,62.9 8.05,62.9 8.05,100.3 39.25,100.3
GND on Top: 29.45,38.2 15.25,38.2 15.25,58.4 29.45,58.4
GND on Top: 55.45,1.7 47.85,1.7 47.85,26.9 55.45,26.9
GND on Top: 30.85,4.8 20.35,4.8 20.35,18 30.85,18
GND on Top: 77.05,1.7 69.45,1.7 69.45,26.9 77.05,26.9
GND on Top: 44.65,1.7 37.05,1.7 37.05,26.9 44.65,26.9
GND on Top: 66.25,1.7 58.65,1.7 58.65,26.9 66.25,26.9
GND on Top: 38.85,37.7 33.45,37.7 33.45,43.7 38.85,43.7
GND on Top: 74.75,40.4 46.55,40.4 46.55,68.6 74.75,68.6
GND on Bottom: 12,10.5 5.8,10.5 5.75,16.7 12,16.7
GND on Bottom, In1.Cu: 100.45,100.3 100.45,-0.3 -0.45,-0.3 -0.45,100.4

## Text on the board
Bottom: 4
B.Silkscreen: SW1.2 - Monitor H-Sync <48.7kHz / SW1.1 - Enable VGA
Top: 1
F.Fab: Layers: 4 / Dimensions: 100x100mm / Thickness: 1.6mm | Min clearance: 0.2mm / Min track: 0.2mm / Min hole: 0.3mm / Min annular ring: 0.15mm
F.Silkscreen: Line in | top board rev.A | Eugene Lozovoy 2022 | Charon-386
In1.Cu: 2
In2.Cu: 3
